# Allegro board STARRYSKY.brd (continued)
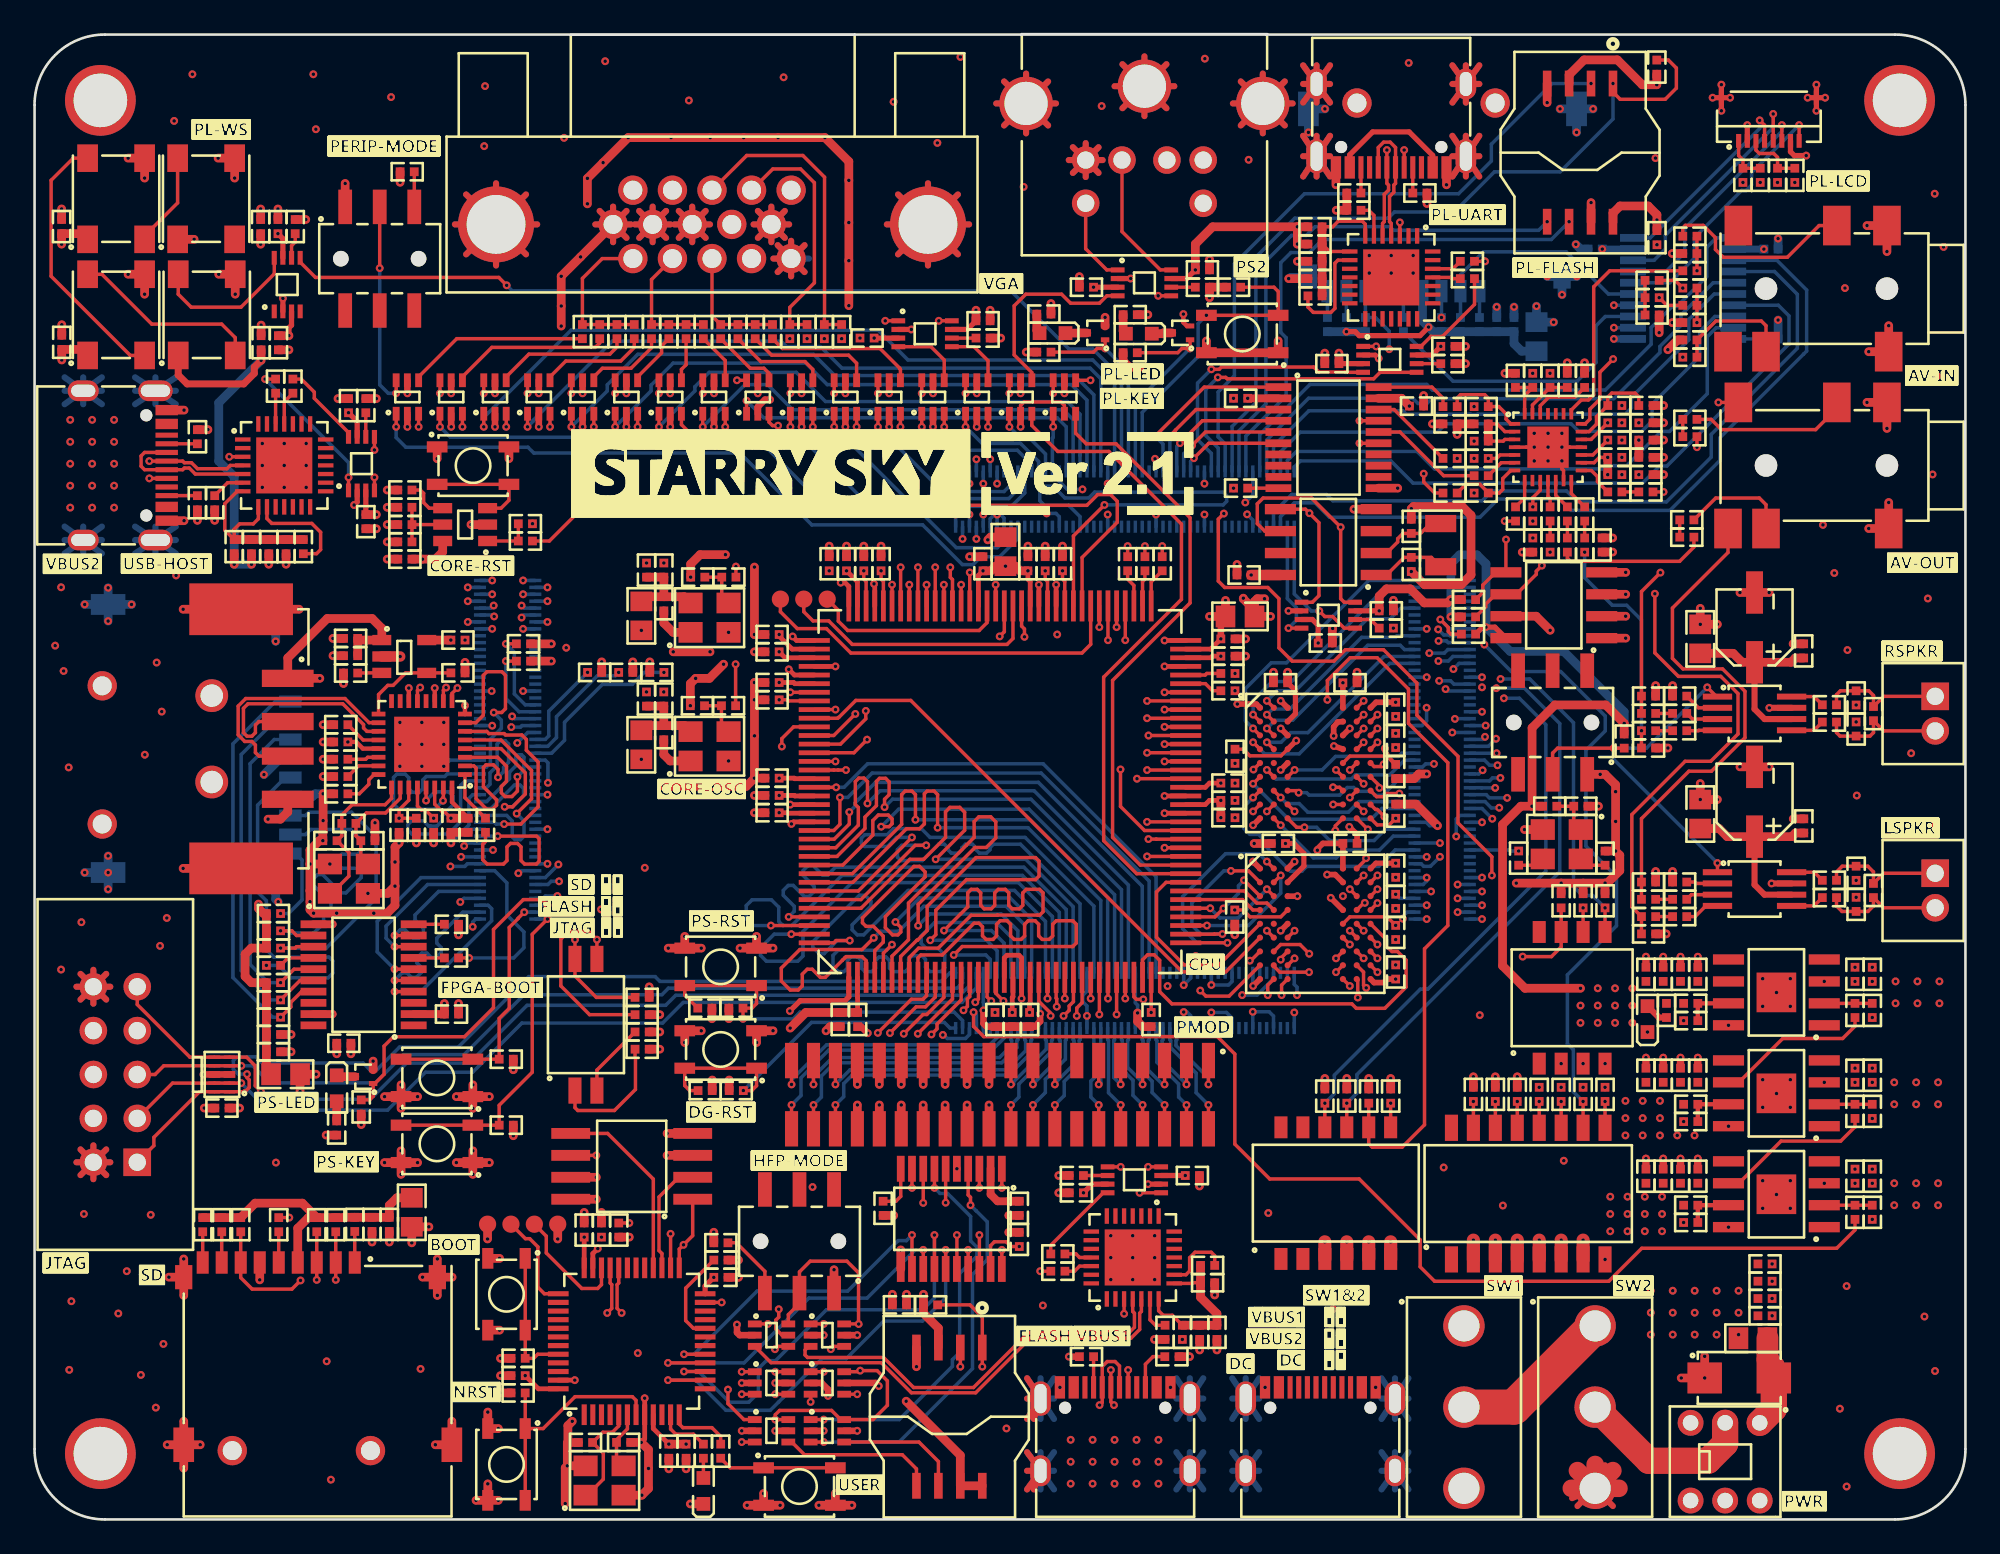
[diagram p0: board, top side]
## Routing (per net, layer and track width the routed paths; a pad name or vN(x,y) marks a point on that pad's centre or on a via; arc(x,y) is an arc through that point) (continued)
3V3_PL_SPI_CLK: length 17.3
  BOTTOM w0.203: R155.1 82.1,65.89 89.29,65.89 89.9,66.5 89.9,66.5 90.17,66.77 90.17,66.77 90.38,66.98 90.38,69.1 90.92,69.64 U41.13
3V3_PL_SPI_CS: length 14
  BOTTOM w0.203: R145.2 J16.2 82.53,72.05 83.86,73.38 88.65,73.38 91.09,70.94 U41.15
3V3_PL_SPI_MISO: length 18.9
  ART03 w0.203: v1(78.41,67.74) 79.09,68.42 90.39,68.42 90.95,68.99 v1(91.41,68.99)
  BOTTOM w0.203: U41.12 v1(91.41,68.99) ; J16.7 R157.2 77.61,69.58 78.41,68.78 v1(78.41,67.74)
3V3_PL_SPI_MOSI: length 13.8
  ART03 w0.203: v1(81.43,69.58) 83.26,71.4 90.3,71.4 v1(91.41,70.29)
  BOTTOM w0.203: J16.3 v1(81.43,69.58) ; U41.14 v1(91.41,70.29)
3V3_PL_UART_DN: length 7.2
  TOP w0.203: U50.5 78.02,75.02 78.12,75.12 78.12,76.7 78.37,76.95 78.37,77.24 78.27,77.34 J19.A7 v1(78.27,79.27) ; J19.B7 v1(79.27,79.27)
  ART03 w0.203: v1(78.27,79.27) v1(79.27,79.27)
3V3_PL_UART_DP: length 7.7
  TOP w0.203: U50.4 78.52,75.02 78.43,75.12 78.43,76.58 78.68,76.83 78.68,77.24 78.77,77.34 J19.A6 78.77,79.42 78.46,79.73 78.08,79.73 77.77,79.42 J19.B6
3V3_PL_UART_RX: length 10
  TOP w0.203: U52.1 v1(77.65,67.9) ; R170.2 v1(83.95,72.83)
  ART03 w0.203: v1(83.95,72.83) 82.02,72.83 77.65,68.46 v1(77.65,67.9)
3V3_PL_UART_TX: length 5.8
  TOP w0.203: U52.8 80.24,67.9 80.82,68.48 81.49,68.48 83.34,70.33 R169.2
3V3_PL_WS2812: length 8.8
  TOP w0.203: U42.8 13.87,72.1 11.95,70.17 9.07,70.17 8.32,70.92 LED7.4
3V3_PS_UART_RX: length 9.1
  TOP w0.203: v1(18.17,60.32) 18.17,60.27 18.17,60.27 U20.1 ; R101.2 v1(13.34,66.01)
  BOTTOM w0.203: v1(13.34,66.01) 18.17,61.18 v1(18.17,60.32)
3V3_PS_UART_TX: length 5
  TOP w0.203: U20.8 18.17,62.92 16.19,64.9 16.19,65.26 15.44,66.01 R100.2
3V3_SOC_SPI_CLK: length 44.6
  TOP w0.203: R51.1 v1(14.74,17.47) ; U13.17 v1(54.04,15.6)
  ART03 w0.203: v1(14.74,17.47) 30.39,17.47 30.79,17.07 33,17.07 34.63,15.44 39.28,15.44 41.97,18.13 50.01,18.13 50.79,17.35 53.24,17.35 54.04,16.56 v1(54.04,15.6)
3V3_SOC_SPI_CS1: length 43.4
  TOP w0.203: U13.20 v1(55.99,15.6) ; v1(17.43,13.87) J5.2 R48.2
  ART03 w0.203: v1(55.99,15.6) 53.9,13.52 21.33,13.52 20.99,13.87 v1(17.43,13.87)
3V3_SOC_SPI_MISO: length 48.8
  TOP w0.203: v1(15.4,13.84) 14.89,13.33 12.59,13.33 11.93,14 J5.7 R52.2 ; U13.16 v1(53.39,16.46)
  ART03 w0.203: v1(53.39,16.46) 52.79,16.46 52.11,15.79 52.11,15.4 51.85,15.15 49.95,15.15 49.7,15.39 41.24,15.39 40.99,15.64 40.3,15.64 39.64,14.99 28.65,14.99 28.07,15.58 23.05,15.58 22.64,15.17 16.73,15.17 v1(15.4,13.84)
3V3_SOC_SPI_MOSI: length 44.9
  TOP w0.203: v1(16.33,13.87) J5.3 R50.2 ; U13.18 v1(54.69,16.46)
  ART03 w0.203: v1(16.33,13.87) 16.97,14.5 45.67,14.5 46.08,14.91 46.46,14.91 46.71,14.67 53.77,14.67 54.69,15.58 v1(54.69,16.46)
3V3_SOC_UART_DN: length 26.7
  TOP w0.203: U8.5 64.06,12.04 63.97,11.94 63.97,11 63.46,10.49 57.63,10.49 54.47,7.33 50.75,7.33 49.01,9.07 42.63,9.07 U9.3
3V3_SOC_UART_DP: length 24.2
  TOP w0.203: U8.4 63.56,12.04 63.66,11.94 63.66,11.12 63.33,10.8 63,10.8 62.8,11 62.19,11 61.99,10.8 61.38,10.8 61.17,11 60.56,11 60.36,10.8 59.75,10.8 59.55,11 58.94,11 58.73,10.8 57.5,10.8 54.34,7.64 50.88,7.64 49.14,9.38 44.74,9.38 44.6,9.52 44.6,9.81 44.81,10.02 U7.3
3V3_SOC_UART_RX: length 9.5
  TOP w0.203: U15.1 v1(63.96,18.91) ; R47.2 v1(58.21,14.37)
  ART03 w0.203: v1(63.96,18.91) 62.75,18.91 v1(58.21,14.37)
3V3_SOC_UART_TX: length 5
  TOP w0.203: R46.2 58.82,15.87 61.86,18.91 U15.8
3V3_VGA_HS: length 7.8
  TOP w0.203: U46.8 v1(52.34,69.38)
  ART03 w0.203: v1(45.71,68.35) 46.21,68.84 49.74,68.84 50.28,69.38 v1(52.34,69.38)
3V3_VGA_VS: length 5.7
  TOP w0.203: U46.1 v1(49.24,69.38)
  ART03 w0.203: v1(49.24,69.38) 45.75,69.38 v1(44.71,68.35)
5V_DC: length 12.8
  TOP w0.356: SW2.3 91.35,0.78 ; SW2.3 88.99,1.23 ; SW2.3 89.3,0.78 ; SW2.3 90.9,3.14
  TOP w1.016: 88.95,1.8 SW2.3 ; SW2.3 89.3,2.83 ; SW2.3 91.35,2.83 ; SW2.3 90.33,3.18 ; SW2.3 91.71,1.8
5V_IN: length 62.6
  TOP w0.305: v1(67.19,72.33) 66.69,71.83 U25.7
  TOP w0.406: v1(13.11,67.09) 12.72,66.7 12.72,66.34 12.11,65.73 8.83,65.73 8.32,66.25 LED7.1
  TOP w0.508: R165.1 v1(73.09,74.83) ; v1(73.09,74.83) 68.19,74.83 67.19,73.83 v1(67.19,72.33) ; v1(73.09,74.83) v1(73.09,73.83) R164.1 ; v1(96.41,42.6) v1(96.41,41.67) v1(97.4,41.67) ; C115.1 v1(13.09,73.82) ; R98.1 v1(12.56,55.29) ; v1(1.57,73.82) C116.1 2.74,74.43 LED9.1 ; R43.1 v1(68.44,9.81) ; v1(1.57,67.12) C118.1 2.72,67.73 LED6.1 ; v1(96.41,52.74) v1(96.41,51.81) v1(97.4,51.81) ; LED8.1 v1(9.24,74.1) ; C117.1 v1(13.11,67.09) ; R45.1 v1(67.44,9.81) ; U21.5 v1(24.1,50.9) ; R95.1 v1(11.56,55.29)
  ART03 w0.356: J11.4 68.62,78.69 ; J11.4 67.64,77.71 ; J11.4 67.64,79.67 ; J11.4 66.9,79.43 ; J11.4 66.66,78.69 ; J11.4 68.38,79.43 ; J11.4 68.38,77.94 ; J11.4 66.9,77.94
  BOTTOM w0.203: J25.A46 28.34,52.75 v1(28.19,52.9) ; J25.B46 26.43,52.75 v1(26.57,52.9) ; J25.A47 v1(29.69,53.15) ; J25.A48 v1(28.28,53.55) ; J25.B49 v1(25.08,53.95) ; J25.B50 v1(26.49,54.35) ; J25.B47 v1(25.08,53.15) ; J25.A50 v1(28.28,54.35) ; J25.A49 v1(29.69,53.95) ; J25.B48 v1(26.49,53.55)
  BOTTOM w0.508: v1(13.11,67.09) 10.66,64.64 10.66,61.26 11.56,60.36 v1(11.56,55.29) v1(12.56,55.29)
  vias: v1(93.55,13.24) v1(93.55,11.97) v1(93.55,10.7) v1(94.82,13.24) v1(94.82,11.97) v1(94.82,10.7) v1(96.09,13.24) v1(96.09,11.97) v1(96.09,10.7) v1(97.36,13.24) v1(97.36,11.97) v1(97.36,10.7) v1(98.63,13.24) v1(98.63,11.97) v1(98.63,10.7) v1(103.59,31.14) v1(103.59,25.3) v1(103.59,19.46) v1(105.37,31.14) v1(105.37,25.3) v1(105.37,19.46) v1(106.37,31.14) v1(106.37,29.05) v1(106.37,25.3) v1(106.37,23.21) v1(106.37,19.46) v1(106.37,17.37) v1(107.64,25.3) v1(107.64,24.03) v1(107.64,19.46) v1(107.64,18.19) v1(107.71,31.15) v1(107.71,29.88) v1(108.91,25.3) v1(108.91,24.03) v1(108.91,19.46) v1(108.91,18.19) v1(108.98,31.15) v1(108.98,29.88) v1(110.18,25.3) v1(110.18,24.03) v1(110.18,19.46) v1(110.18,18.19) v1(110.25,31.15) v1(110.25,29.88)
5V_PS2_CLK: length 5
  TOP w0.203: U25.1 62.06,72.33 60.84,73.55 J11.5
5V_PS2_DAT: length 7.9
  TOP w0.203: U25.8 65.16,72.33 62.94,74.55 J11.1
5V_VBUS1: length 11.3
  ART06 w1.016: 83.76,10.18 SW1.1 ; SW1.1 81.35,11.2 ; SW1.1 81.71,10.18 ; SW1.1 84.11,11.2 ; SW1.1 82.73,9.82 ; SW1.1 82.73,12.58 ; SW1.1 81.71,12.23 ; SW1.1 83.76,12.23
  vias: v1(59.97,4.61) v1(59.97,3.34) v1(59.97,2.07) v1(61.24,4.61) v1(61.24,3.34) v1(61.24,2.07) v1(62.51,4.61) v1(62.51,3.34) v1(62.51,2.07) v1(63.78,4.61) v1(63.78,3.34) v1(63.78,2.07) v1(65.05,4.61) v1(65.05,3.34) v1(65.05,2.07)
5V_VBUS2: length 12.8
  ART03 w0.356: SW1.3 83.76,0.78 ; SW1.3 83.3,3.14 ; SW1.3 81.71,0.78 ; SW1.3 81.4,1.23
  ART03 w1.016: 81.71,2.83 SW1.3 ; SW1.3 81.35,1.8 ; SW1.3 83.76,2.83 ; SW1.3 84.11,1.8 ; SW1.3 82.73,3.18
  vias: v1(2.06,63.65) v1(2.06,62.38) v1(2.06,61.11) v1(2.06,59.84) v1(2.06,58.57) v1(3.33,63.65) v1(3.33,62.38) v1(3.33,61.11) v1(3.33,59.84) v1(3.33,58.57) v1(4.6,63.65) v1(4.6,62.38) v1(4.6,61.11) v1(4.6,59.84) v1(4.6,58.57)
GND: length 1970.3
  TOP w0.203: U45.2 57.07,64.48 57.28,64.68 59.4,64.68 59.61,64.48 U44.2 ; C106.2 81.98,51.25 81.82,51.4 81.82,51.64 v1(81.36,52.09) ; U3.90 56.13,51.38 v1(55.86,51.12) ; U8.3 v1(63.06,11.91) ; U22.3 v1(11.27,61.51) ; U50.3 v1(79.02,75.08) ; U16.23 v1(39.77,12.56)
  TOP w0.254: Q3.2 66.7,69.09 66.49,69.29 v1(66.49,69.77)
  TOP w0.279: v1(48.59,54.16) 48.59,54.12 48.63,54.08 U3.105 ; U3.130 43.93,40.38 v1(43.81,40.26) ; U3.52 v1(65.4,40.88) ; U16.47 v1(31.27,8.06) ; v1(77.8,67.21) 77.61,67.4 U52.2 ; U3.72 v1(65.4,50.88) ; v1(43.88,51.11) 44.11,50.88 U3.109 ; v1(35.11,4.46) 35.31,4.66 U16.8 v1(35.31,7.02) ; v1(32.6,15.68) 32.31,15.39 U16.35 ; U3.69 v1(65.4,49.38) ; U3.86 v1(58.13,54.11) ; U3.108 47.13,54.01 46.91,54.23 v1(46.66,54.23) ; U3.128 v1(43.74,41.38) ; U3.54 v1(65.4,41.88) ; v1(43.65,49.21) 43.98,48.88 U3.113 ; U3.112 v1(46.36,49.38) ; v1(57.13,30.15) U3.21 57.13,32.51 56.98,32.66 56.28,32.66 56.13,32.51 U3.19 ; U3.84 v1(59.13,54.11)
  TOP w0.305: U25.2 v1(63.45,71.83) ; U46.2 v1(50.75,68.88) ; v1(18.49,58.72) 18.67,58.9 U20.2 ; U43.2 v1(72.58,52.59) ; J14.9 v1(103.13,81.54) ; J14.9 v1(103.64,82.3) ; J14.9 v1(102.63,82.3) ; J14.9 v1(103.13,83.05) ; J14.10 v1(97.63,81.54) ; J14.10 v1(97.63,83.05) ; J14.10 v1(97.13,82.3) ; J14.10 v1(98.14,82.3) ; v1(43.72,29.43) 44.31,30.03 46.91,30.03 47.13,30.25 U3.1 ; U42.2 v1(14.37,70.69) ; 99.13,79.71 J14.2 v1(99.13,80.71) ; U15.2 v1(64.45,19.41)
  TOP w0.33: U48.A1 70.71,47.2 v1(69.62,47.2) ; C61.2 76.55,39.64 v1(76.1,40.09) ; U5.A1 v1(70.53,38.08) ; U48.C3 v1(72.13,45.79) ; U5.A3 v1(72.93,38.08) ; U48.B7 75.43,46.16 75.19,45.88 v1(75.19,45.35) ; U5.B7 75.28,37.33 v1(74.81,37.33) ; U5.D7 v1(75.02,35.98) ; U48.J1 v1(70.53,40.19) ; U48.E3 v1(72.13,43.39) ; U5.E3 v1(72.13,34.08) ; U48.D7 v1(75.21,44.77) ; U5.J1 v1(70.53,30.88) ; U48.A3 v1(72.13,47.39) ; U5.C3 v1(73.09,36.08)
  TOP w0.356: 74.2,82.01 J19.4 ; J19.4 74.2,84.17 ; J19.4 73.43,82.01 ; J19.4 74.98,84.17 ; J19.4 74.98,83.09 ; J19.4 73.43,84.17 ; J19.4 73.43,83.09 ; J19.4 74.98,82.01 ; J12.17 28.44,73.23 ; J12.17 26.71,77.34 ; J12.17 24.98,73.23 ; J12.17 28.44,76.7 ; J12.17 26.71,72.59 ; J12.17 24.33,74.96 ; J12.17 29.09,74.96 ; J12.17 24.98,76.7 ; 60.84,77.71 J11.3 ; J11.3 61.58,77.94 ; J11.3 60.1,77.94 ; J11.3 60.1,79.43 ; J11.3 60.84,79.67 ; J11.3 61.58,79.43 ; J11.3 61.82,78.69 ; J11.3 59.86,78.69 ; J12.8 38.07,75.99 ; J12.8 38.84,74.19 ; J12.8 38.84,75.74 ; J12.8 37.29,74.19 ; J12.8 39.09,74.96 ; J12.8 37.29,75.74 ; J12.8 38.07,73.94 ; J12.8 37.04,74.96 ; 35.78,73.94 J12.7 ; J12.7 35,74.19 ; J12.7 34.75,74.96 ; J12.7 35.78,75.99 ; J12.7 35,75.74 ; J12.7 36.55,74.19 ; J12.7 36.55,75.74 ; J12.7 36.8,74.96 ; 57.45,5.82 J1.1 ; J1.1 57.45,7 ; J1.1 57.84,5.82 ; J1.1 57.45,8.17 ; J12.6 33.49,75.99 ; J12.6 32.46,74.96 ; J12.6 33.49,73.94 ; J12.6 34.51,74.96 ; J12.6 34.26,75.74 ; J12.6 34.26,74.19 ; J12.6 32.71,75.74 ; J19.1 82.84,80.09 ; J19.1 83.62,80.09 ; J19.1 83.62,78.91 ; J19.1 82.07,77.73 ; J19.1 82.07,80.09 ; J19.1 82.07,78.91 ; J19.1 83.62,77.73 ; J19.1 82.84,77.73 ; 49.98,73.23 J12.16 ; J12.16 51.71,72.59 ; J12.16 49.98,76.7 ; J12.16 53.44,73.23 ; J12.16 51.71,77.34 ; J12.16 49.33,74.96 ; J12.16 54.09,74.96 ; J12.16 53.44,76.7 ; 3.4,29.86 J8.10 ; J8.10 4.15,31.58 ; J8.10 4.15,30.09 ; J8.10 2.43,30.84 ; J8.10 2.66,30.09 ; J8.10 2.66,31.58 ; J8.10 4.38,30.84 ; J8.10 3.4,31.81 ; J12.10 43.42,74.19 ; J12.10 43.42,75.74 ; J12.10 42.65,75.99 ; J12.10 41.62,74.96 ; J12.10 41.87,75.74 ; J12.10 41.87,74.19 ; J12.10 43.67,74.96 ; J12.10 42.65,73.94 ; J12.5 44.57,72.21 ; J12.5 44.57,73.76 ; J12.5 43.79,71.96 ; J12.5 42.76,72.98 ; J12.5 43.01,73.76 ; J12.5 43.79,74.01 ; J12.5 43.01,72.21 ; 2.66,21.42 J8.2 ; J8.2 2.43,20.68 ; J8.2 4.38,20.68 ; J8.2 4.15,21.42 ; J8.2 4.15,19.93 ; J8.2 2.66,19.93 ; J8.2 3.4,21.65 ; J8.2 3.4,19.7 ; 62.97,81.69 J11.7 ; J11.7 62.51,82.96 ; J11.7 62.97,84.24 ; J11.7 65.51,84.24 ; J11.7 65.51,81.69 ; J11.7 64.24,81.24 ; J11.7 65.97,82.96 ; J11.7 64.24,84.69 ; 56.12,80.69 J11.9 ; J11.9 58.66,80.69 ; J11.9 57.39,83.69 ; J11.9 58.66,83.24 ; J11.9 59.12,81.97 ; J11.9 57.39,80.24 ; J11.9 56.12,83.24 ; J11.9 55.66,81.97 ; 57.45,1.74 J1.3 ; J1.3 57.45,3.89 ; J1.3 57.84,1.74 ; J1.3 57.45,2.82 ; 82.07,83.09 J19.3 ; J19.3 82.07,84.17 ; J19.3 82.07,82.01 ; J19.3 83.62,83.09 ; J19.3 82.84,84.17 ; J19.3 82.84,82.01 ; J19.3 83.62,84.17 ; J19.2 74.98,80.09 ; J19.2 74.98,78.91 ; J19.2 73.43,77.73 ; J19.2 74.2,80.09 ; J19.2 73.43,78.91 ; J19.2 74.98,77.73 ; J19.2 73.43,80.09 ; J19.2 74.2,77.73 ; J11.8 72.36,80.69 ; J11.8 72.82,81.97 ; J11.8 69.82,83.24 ; J11.8 71.09,80.24 ; J11.8 69.36,81.97 ; J11.8 72.36,83.24 ; J11.8 71.09,83.69 ; J11.8 69.82,80.69
  TOP w0.381: U40.2 41.86,64.4 42.28,64.82 v1(42.57,64.82) ; v1(45.93,7.15) 45.93,7.52 45.55,7.9 U14.2 ; C56.2 47.85,28.53 v1(48.23,28.15) ; U12.2 v1(40.93,5.13) ; U32.2 v1(21.58,63.25) ; U26.2 v1(54.54,63.25) ; v1(54.92,29.47) 54.92,28.71 55.11,28.53 R182.2 ; U35.2 v1(34.26,63.25) ; U29.2 v1(29.19,63.25) ; U33.2 v1(36.79,63.25) ; v1(58.2,29.27) 58.2,28.83 57.9,28.53 C29.2 ; U30.2 v1(26.65,63.25) ; R3.1 v1(59.87,9.42) ; U36.2 v1(31.72,63.25) ; U45.2 v1(57.07,63.25) ; U11.2 v1(45.68,5.13) ; v1(9.77,25.76) U18.8 U18.3 ; U38.2 v1(46.93,63.25) ; v1(40.66,11.28) 40.66,10.82 40.81,10.67 U9.2 ; U27.2 v1(52,63.25) ; U7.2 v1(45.68,10.67) ; U39.2 v1(44.4,63.25) ; U34.2 v1(39.33,63.25) ; U37.2 v1(49.47,63.25) ; U10.2 v1(40.93,7.9) ; U31.2 v1(24.11,63.25)
  TOP w0.432: C3.2 v1(95.27,32.57) ; C20.2 v1(94.27,26.73) ; C19.2 v1(93.27,26.73) ; C2.2 v1(93.27,32.57) ; C12.2 v1(93.27,20.89) ; C14.2 v1(95.27,20.89) ; C24.2 v1(96.27,26.73) ; C13.2 v1(94.27,20.89) ; C6.2 v1(96.27,32.57) ; C21.2 v1(95.27,26.73) ; C10.2 v1(96.27,20.89) ; C1.2 v1(94.27,32.57)
  TOP w0.457: U19.11 v1(17.25,34.45)
  TOP w0.508: v1(30.84,3.1) 30.72,2.98 v1(30.72,0.92) ; v1(30.84,3.1) X1.4 ; v1(30.84,3.1) 30.84,4.42 30.87,4.45 ; v1(39.88,49.51) 39.06,48.68 v1(38.26,48.68) 37.96,48.38 v1(37.96,47.1) ; J5.11 v1(23.31,15.08) ; J5.11 v1(22.46,14.02) ; J5.11 v1(24.17,14.02) ; J5.11 v1(23.31,12.97) ; R7.2 v1(66.85,9.42) ; C89.2 v1(18.31,26.95) ; R58.2 v1(26.97,9.33) ; SW16.1 v1(25.37,19.98) ; SW16.1 v1(26.32,20.66) ; SW16.1 v1(25.37,21.34) ; SW16.1 v1(24.41,20.66) ; SW17.1 v1(17.98,77.34) ; U6.2 v1(25.26,57.59) ; R63.2 v1(40.74,15.01) ; Q2.2 v1(61.96,69.59) ; SW15.1 v1(25.37,25.16) ; SW15.1 v1(24.41,24.48) ; SW15.1 v1(25.37,23.8) ; SW15.1 v1(26.32,24.48) ; v1(5.41,72.08) LED6.3 v1(6.37,70.92) ; C110.2 v1(69.6,55.28) ; R73.1 v1(36.19,28.22) ; J21.33 v1(47.62,25.18) ; 52.7,26.56 v1(52.7,25.18) ; v1(88.36,36.83) v1(85.76,36.83) ; v1(88.36,36.83) 89.63,36.83 ; v1(88.36,36.83) R21.2 ; J21.23 v1(53.98,25.18) ; R86.1 v1(10.04,63.08) ; J19.B1A12 v1(75.32,77.26) ; v1(79.69,54.87) 80.45,54.11 82.57,54.11 83.14,54.68 83.14,58.12 82.63,58.63 79.82,58.63 v1(79.69,58.51) C111.2 ; U13.11 v1(50.14,15.6) ; C49.2 v1(48,56.34) ; v1(15.94,37.94) v1(17.09,37.94) ; v1(15.94,37.94) 15.94,38.75 16.48,39.29 v1(16.69,39.29) 16.69,39.77 16.7,39.79 v1(16.7,40.45) v1(16.7,42) R102.1 ; v1(15.94,37.94) 15.94,36.4 15.94,36.4 v1(15.94,35.76) 15.94,35.3 v1(16.15,35.09) v1(17.49,35.09) v1(19.63,35.09) 20.41,35.09 20.86,35.55 v1(20.86,36.66) ; C94.2 v1(17.27,50) ; C90.1 v1(19.78,57.35) ; U24.7 86.91,52.28 v1(87.73,51.47) ; v1(24.1,39.16) C98.2 C99.2 ; v1(75.95,25.53) R40.2 ; C88.1 v1(24.54,29.86) ; J5.10 v1(8.63,15.08) ; J5.10 v1(7.78,14.02) ; J5.10 v1(8.63,12.97) ; C116.2 v1(1.57,75.86) ; SW15.2 v1(20.26,24.48) ; SW15.2 v1(21.21,23.8) ; SW15.2 v1(22.17,24.48) ; SW15.2 v1(21.21,25.16) ; C163.2 v1(76.55,49.04) ; v1(67.83,68.22) SW18.2 SW18.1 v1(71.98,68.22) ; U24.4 v1(92.09,54.82) ; R34.2 v1(20.41,58.59) ; R179.1 v1(80.59,76.17) ; v1(41.67,47.45) v1(41.67,48.45) C48.2 ; v1(41.67,47.45) C32.2 ; v1(41.67,47.45) v1(41.67,45.36) v1(41.67,42.91) ; C192.2 v1(91.51,38.69) ; v1(91.51,38.69) v1(91.51,40.4) v1(91.51,42.13) 91.51,42.53 90.9,43.13 v1(90.62,43.13) SW19.1 ; v1(91.51,38.69) 91.75,38.45 91.75,37.56 91.03,36.83 v1(90.9,36.83) ; R71.1 v1(36.19,27.22) ; v1(38.59,28.29) SW14.4 v1(37.63,27.61) ; 50.16,26.56 v1(50.16,25.18) ; v1(41.67,42.91) 41.19,42.43 v1(39.23,42.43) v1(36.42,42.43) ; v1(41.67,42.91) C31.2 ; C70.2 v1(19.53,16.06) ; C186.2 v1(80.4,65.06) ; v1(5.41,78.8) LED9.3 v1(6.37,77.64) ; C71.1 v1(67.42,19.3) ; J21.27 v1(51.44,25.18) ; C84.2 v1(11.87,23.81) ; v1(37.98,54.55) 37.98,55.3 38.53,55.85 v1(39.99,55.85) ; R25.2 v1(90.9,36.83) ; v1(90.9,36.83) 89.63,36.83 ; SW6.2 v1(27.46,61.4) ; SW16.2 v1(21.21,19.98) ; SW16.2 v1(21.21,21.34) ; SW16.2 v1(22.17,20.66) ; SW16.2 v1(20.26,20.66) ; 89.63,36.83 R23.2 ; v1(84.55,25.63) R29.2 ; SW12.4 v1(36.68,33.07) ; SW12.4 v1(38.59,33.07) ; SW12.4 v1(37.63,33.75) ; v1(32,76.16) v1(32,77.63) v1(32.91,78.54) v1(34.36,79.99) v1(36.84,79.99) v1(39.11,79.99) v1(41.04,79.99) v1(43.03,79.99) v1(45.75,79.99) 47.13,78.61 v1(47.13,77.51) v1(47.13,75.07) v1(47.13,72.86) v1(47.13,70.26) ; J5.12 v1(7.68,4.32) ; J5.12 v1(9.59,4.32) ; J5.12 v1(8.63,5.68) ; J5.12 v1(8.63,2.97) ; R182.2 C55.2 C29.2 ; C121.1 v1(14.73,67.7) ; C68.2 v1(56.39,16.62) ; C43.2 v1(41.67,40.91) ; C35.2 v1(57.5,56.34) ; LED2.2 v1(37.96,0.9) ; v1(11.62,70.92) LED7.3 v1(10.66,72.08) ; v1(68.01,72.94) C108.2 ; 30.87,4.45 30.87,5.43 v1(31.12,5.68) ; 30.87,4.45 C75.2 ; v1(20.86,36.66) v1(20.86,38.06) 20.86,38.92 v1(21.1,39.16) C95.1 ; v1(20.86,36.66) 20.44,36.24 v1(19.29,36.24) ; C69.2 v1(20.53,16.06) ; R82.1 v1(29.91,50.69) ; X1.2 v1(35.15,1.41) 35.53,1.79 v1(35.53,2.95) 35.53,4.04 v1(35.11,4.46) C77.2 ; C104.2 v1(16.7,45) ; SW8.1 v1(46.27,14.46) ; Q1.2 v1(19.6,26.53) ; C92.2 v1(17.27,51) ; C160.2 v1(72.59,71.83) ; v1(63.84,29.32) 63.84,28.83 64.15,28.53 C30.2 ; C166.2 79.85,42.88 80.12,43.15 v1(80.58,43.15) ; v1(41.79,27.61) SW14.3 v1(42.74,28.29) ; C182.1 v1(74.68,67.51) ; J21.31 v1(48.9,25.18) ; C105.2 v1(10.43,57.83) ; C66.2 v1(64.82,10.42) ; SW9.4 v1(25.55,1.11) ; SW9.4 v1(26.23,2.06) ; SW9.4 v1(26.84,1.11) ; C50.2 v1(47,56.34) ; SW12.3 v1(42.74,33.07) ; SW12.3 v1(41.79,33.75) ; SW12.3 v1(40.83,33.07) ; v1(75.13,51.58) 75.12,51.56 C123.1 ; C47.2 v1(41.67,51.22) v1(41.67,55.13) ; C122.2 v1(14.09,75.86) ; R93.1 v1(24.92,49.61) ; C39.2 v1(20.41,59.59) ; C46.2 v1(41.67,50.22) ; C161.2 v1(73.09,72.83) ; C78.2 v1(36.71,2.93) ; C103.2 v1(16.7,46.01) ; v1(75.34,75.78) C181.2 R181.2 ; C85.2 v1(39.22,25.44) ; v1(23.2,4.32) J5.13 v1(24.15,5.68) ; J12.6 v1(31.6,73.08) v1(30.48,71.96) v1(30.48,70.24) v1(30.48,69.08) ; v1(77.22,25.53) R41.2 ; C167.2 79.96,41.41 v1(81.2,40.16) ; J10.4 14.66,40.96 14.23,40.54 v1(13.51,40.54) ; C58.2 v1(69.47,33.85) ; R89.2 v1(9.43,57.83) ; R78.1 v1(34.63,49.64) ; v1(10.63,78.8) LED8.3 v1(11.58,77.64) ; C86.2 v1(14.85,28.07) ; v1(45.81,28.28) 46.05,28.53 C45.2 ; C51.2 v1(58.5,56.34) ; C97.2 v1(23.1,39.16) ; v1(39.1,50.22) v1(36.97,50.22) ; R80.1 v1(29.91,49.69) ; C80.2 v1(50.47,13.03) ; C34.2 v1(54.12,55.73) ; TP7.1 v1(26.22,16.24) ; C72.2 v1(59.28,18.91) ; C126.2 v1(55.31,69.99) ; v1(83.28,25.63) R28.2 ; C73.1 v1(26.97,8.33) ; C107.1 v1(60.47,71.94) ; v1(26.84,5.26) SW9.3 v1(26.23,6.22) ; C44.2 v1(41.67,41.91) ; C53.2 v1(70.09,50.97) ; C82.1 v1(40.74,14.01) ; U28.4 v1(76.36,58.48) ; U17.4 v1(36.61,22.34) ; J19.A1B12 v1(81.72,77.26) ; C87.2 v1(14.85,27.07) ; v1(95.31,8.19) v1(96.67,8.19) v1(96.67,9.45) ; C183.2 v1(82.82,67.9) ; C102.2 v1(14.56,55.29) ; C124.2 v1(78.65,53.2) ; R96.2 v1(16.7,43) ; C96.2 v1(19.7,40.33) ; C38.2 v1(20.41,55.59) ; U24.1 v1(92.09,51.01) ; C42.2 v1(46,56.34) ; C81.2 v1(32.81,17.77) ; X4.2 v1(86.24,39.93) ; C76.1 v1(31.81,17.77) ; U53.11 v1(78.9,59.7) ; C36.2 v1(59.5,56.34) ; C83.2 v1(39.21,28.99) ; C52.2 v1(70.09,49.97) ; C33.2 v1(49,56.34) ; J6.4 v1(51.04,8.84) ; C91.2 v1(17.56,64.88) ; C59.2 v1(70.59,39.13) ; v1(85.82,25.63) R31.2 ; C115.2 v1(13.09,75.86) ; C117.2 v1(13.11,69.13) ; J10.6 v1(8.6,37.69) ; U24.3 v1(92.09,53.55) ; R168.1 v1(91.34,56) ; 55.24,26.56 v1(55.24,25.18) ; v1(74.68,25.53) R39.2 ; J9.B1A12 v1(8.65,57.81) ; C67.1 v1(56.39,17.6) ; C40.2 v1(20.41,56.59) ; v1(15.31,52.69) J10.5 v1(8.6,52.69) ; C162.2 v1(71.71,49.04) ; C79.2 v1(37.71,2.93) ; U24.2 v1(92.09,52.28) ; J13.4 v1(87.55,82.01) ; R79.1 v1(32.83,49.64) ; v1(78.49,25.53) R42.2 ; J5.6 v1(13.03,13.87) ; C118.2 v1(1.57,69.16) ; C74.2 v1(26.97,7.32) ; C65.2 v1(68.31,12.99) ; J9.A1B12 v1(8.65,64.21) ; SW6.1 v1(23.3,61.4) ; C101.2 v1(13.56,55.29)
  TOP w0.61: U21.2 v1(21.16,49.95)
  GND02 w0.356: J12.6 34.51,74.96 ; J12.6 32.46,74.96 ; J12.6 32.71,75.74 ; J12.6 33.49,75.99 ; J12.6 34.26,75.74 ; J12.6 33.49,73.94 ; J12.6 34.26,74.19 ; J12.6 32.71,74.19 ; J11.7 65.97,82.96 ; J11.7 62.51,82.96 ; J11.7 62.97,81.69 ; J11.7 64.24,84.69 ; J11.7 65.51,81.69 ; J11.7 65.51,84.24 ; J11.7 64.24,81.24 ; J11.7 62.97,84.24 ; J1.1 59,8.17 ; J1.1 59,7 ; J1.1 58.23,5.82 ; J1.1 59,5.82 ; J1.1 57.45,7 ; J1.1 57.45,5.82 ; J1.1 57.45,8.17 ; J1.1 58.23,8.17 ; J19.1 83.62,78.91 ; J19.1 83.62,80.09 ; J19.1 82.84,80.09 ; J19.1 82.07,80.09 ; J19.1 82.07,78.91 ; J19.1 83.62,77.73 ; J19.1 82.84,77.73 ; J19.1 82.07,77.73 ; 73.43,84.17 J19.4 ; J19.4 74.98,83.09 ; J19.4 73.43,82.01 ; J19.4 74.98,84.17 ; J19.4 73.43,83.09 ; J19.4 74.2,82.01 ; J19.4 74.2,84.17 ; J19.4 74.98,82.01 ; 77.96,7 J3.2 ; J3.2 79.52,5.82 ; J3.2 79.52,8.17 ; J3.2 77.96,5.82 ; J3.2 77.96,8.17 ; J3.2 79.52,7 ; J3.2 78.74,8.17 ; J3.2 78.74,5.82 ; 82.07,84.17 J19.3 ; J19.3 82.84,84.17 ; J19.3 82.07,82.01 ; J19.3 82.07,83.09 ; J19.3 83.62,83.09 ; J19.3 83.62,84.17 ; J19.3 82.84,82.01 ; 66.09,1.74 J1.4 ; J1.4 66.87,3.89 ; J1.4 66.09,3.89 ; J1.4 66.87,1.74 ; J1.4 67.64,2.82 ; J1.4 67.64,1.74 ; J1.4 66.09,2.82 ; J1.4 67.64,3.89 ; 78.74,1.74 J3.4 ; J3.4 77.96,1.74 ; J3.4 78.74,3.89 ; J3.4 79.52,1.74 ; J3.4 79.52,2.82 ; J3.4 77.96,3.89 ; J3.4 79.52,3.89 ; J3.4 77.96,2.82 ; 60.1,77.94 J11.3 ; J11.3 60.84,77.71 ; J11.3 61.82,78.69 ; J11.3 60.1,79.43 ; J11.3 60.84,79.67 ; J11.3 59.86,78.69 ; J11.3 61.58,77.94 ; J11.3 61.58,79.43 ; J1.2 67.64,5.82 ; J1.2 66.09,8.17 ; J1.2 67.64,7 ; J1.2 67.64,8.17 ; J1.2 66.09,5.82 ; J1.2 66.87,5.82 ; J1.2 66.09,7 ; J1.2 66.87,8.17 ; J12.17 28.44,76.7 ; J12.17 24.98,73.23 ; J12.17 24.33,74.96 ; J12.17 26.71,77.34 ; J12.17 28.44,73.23 ; J12.17 29.09,74.96 ; J12.17 26.71,72.59 ; J12.17 24.98,76.7 ; 5.82,55.92 J9.2 ; J9.2 7,55.92 ; J9.2 7,57.47 ; J9.2 5.82,57.47 ; J9.2 8.18,55.92 ; J9.2 5.82,56.69 ; J9.2 8.18,56.69 ; J9.2 8.18,57.47 ; J12.7 36.55,74.19 ; J12.7 35,74.19 ; J12.7 36.55,75.74 ; J12.7 35,75.74 ; J12.7 35.78,75.99 ; J12.7 35.78,73.94 ; J12.7 36.8,74.96 ; J12.7 34.75,74.96 ; J11.9 59.12,81.97 ; J11.9 57.39,80.24 ; J11.9 58.66,83.24 ; J11.9 56.12,83.24 ; J11.9 55.66,81.97 ; J11.9 57.39,83.69 ; J11.9 56.12,80.69 ; J11.9 58.66,80.69 ; 37.29,75.74 J12.8 ; J12.8 37.04,74.96 ; J12.8 39.09,74.96 ; J12.8 38.07,75.99 ; J12.8 38.84,74.19 ; J12.8 37.29,74.19 ; J12.8 38.84,75.74 ; J12.8 38.07,73.94 ; J9.1 8.18,64.56 ; J9.1 7,66.11 ; J9.1 5.82,64.56 ; J9.1 7,64.56 ; J9.1 5.82,66.11 ; J9.1 5.82,65.33 ; J9.1 8.18,65.33 ; J9.1 8.18,66.11 ; J12.10 42.65,75.99 ; J12.10 41.62,74.96 ; J12.10 41.87,74.19 ; J12.10 43.67,74.96 ; J12.10 42.65,73.94 ; J12.10 43.42,74.19 ; J12.10 41.87,75.74 ; J12.10 43.42,75.74 ; 2.66,30.09 J8.10 ; J8.10 4.38,30.84 ; J8.10 4.15,30.09 ; J8.10 3.4,31.81 ; J8.10 4.15,31.58 ; J8.10 3.4,29.86 ; J8.10 2.66,31.58 ; J8.10 2.43,30.84 ; J3.1 70.88,5.82 ; J3.1 70.88,8.17 ; J3.1 69.32,8.17 ; J3.1 70.1,8.17 ; J3.1 70.1,5.82 ; J3.1 69.32,5.82 ; J3.1 69.32,7 ; J3.1 70.88,7 ; 73.43,78.91 J19.2 ; J19.2 74.98,80.09 ; J19.2 73.43,77.73 ; J19.2 73.43,80.09 ; J19.2 74.2,77.73 ; J19.2 74.2,80.09 ; J19.2 74.98,77.73 ; J19.2 74.98,78.91 ; J12.16 51.71,77.34 ; J12.16 49.98,73.23 ; J12.16 49.98,76.7 ; J12.16 53.44,73.23 ; J12.16 51.71,72.59 ; J12.16 49.33,74.96 ; J12.16 54.09,74.96 ; J12.16 53.44,76.7 ; 69.82,83.24 J11.8 ; J11.8 72.36,80.69 ; J11.8 72.82,81.97 ; J11.8 69.82,80.69 ; J11.8 71.09,80.24 ; J11.8 71.09,83.69 ; J11.8 69.36,81.97 ; J11.8 72.36,83.24 ; J8.2 4.15,21.42 ; J8.2 4.38,20.68 ; J8.2 4.15,19.93 ; J8.2 2.66,19.93 ; J8.2 3.4,19.7 ; J8.2 2.66,21.42 ; J8.2 2.43,20.68 ; J8.2 3.4,21.65 ; J1.3 59,2.82 ; J1.3 58.23,1.74 ; J1.3 57.45,3.89 ; J1.3 59,1.74 ; J1.3 58.23,3.89 ; J1.3 57.45,2.82 ; J1.3 59,3.89 ; J1.3 57.45,1.74 ; 70.1,1.74 J3.3 ; J3.3 69.32,3.89 ; J3.3 69.32,2.82 ; J3.3 69.32,1.74 ; J3.3 70.88,2.82 ; J3.3 70.88,3.89 ; J3.3 70.88,1.74 ; J3.3 70.1,3.89 ; J9.3 2.82,66.11 ; J9.3 1.74,66.11 ; J9.3 3.9,64.56 ; J9.3 1.74,64.56 ; J9.3 2.82,64.56 ; J9.3 3.9,66.11 ; J9.3 1.74,65.33 ; J9.3 3.9,65.33 ; J9.4 2.82,57.47 ; J9.4 3.9,55.92 ; J9.4 3.9,57.47 ; J9.4 1.74,55.92 ; J9.4 2.82,55.92 ; J9.4 1.74,57.47 ; J9.4 1.74,56.69 ; J9.4 3.9,56.69 ; 42.76,72.98 J12.5 ; J12.5 44.82,72.98 ; J12.5 43.79,71.96 ; J12.5 43.01,72.21 ; J12.5 43.79,74.01 ; J12.5 44.57,72.21 ; J12.5 44.57,73.76 ; J12.5 43.01,73.76